# Altium PCB PT-PWR-EPS-002_v1.PcbDoc (part 2 of 3)
Units mm, origin at the board's own origin, x right, y up, seen from the top; angles counter-clockwise.
Board outline 95.89 x 90.17 mm, 4 copper layers (Top Layer, Ground Plane, Power Plane, Bottom Layer), stack 1.508 mm thick; 217 components, 132 nets, 791 pads, 383 vias.
Unrouted connection lines stored in the file: 21.
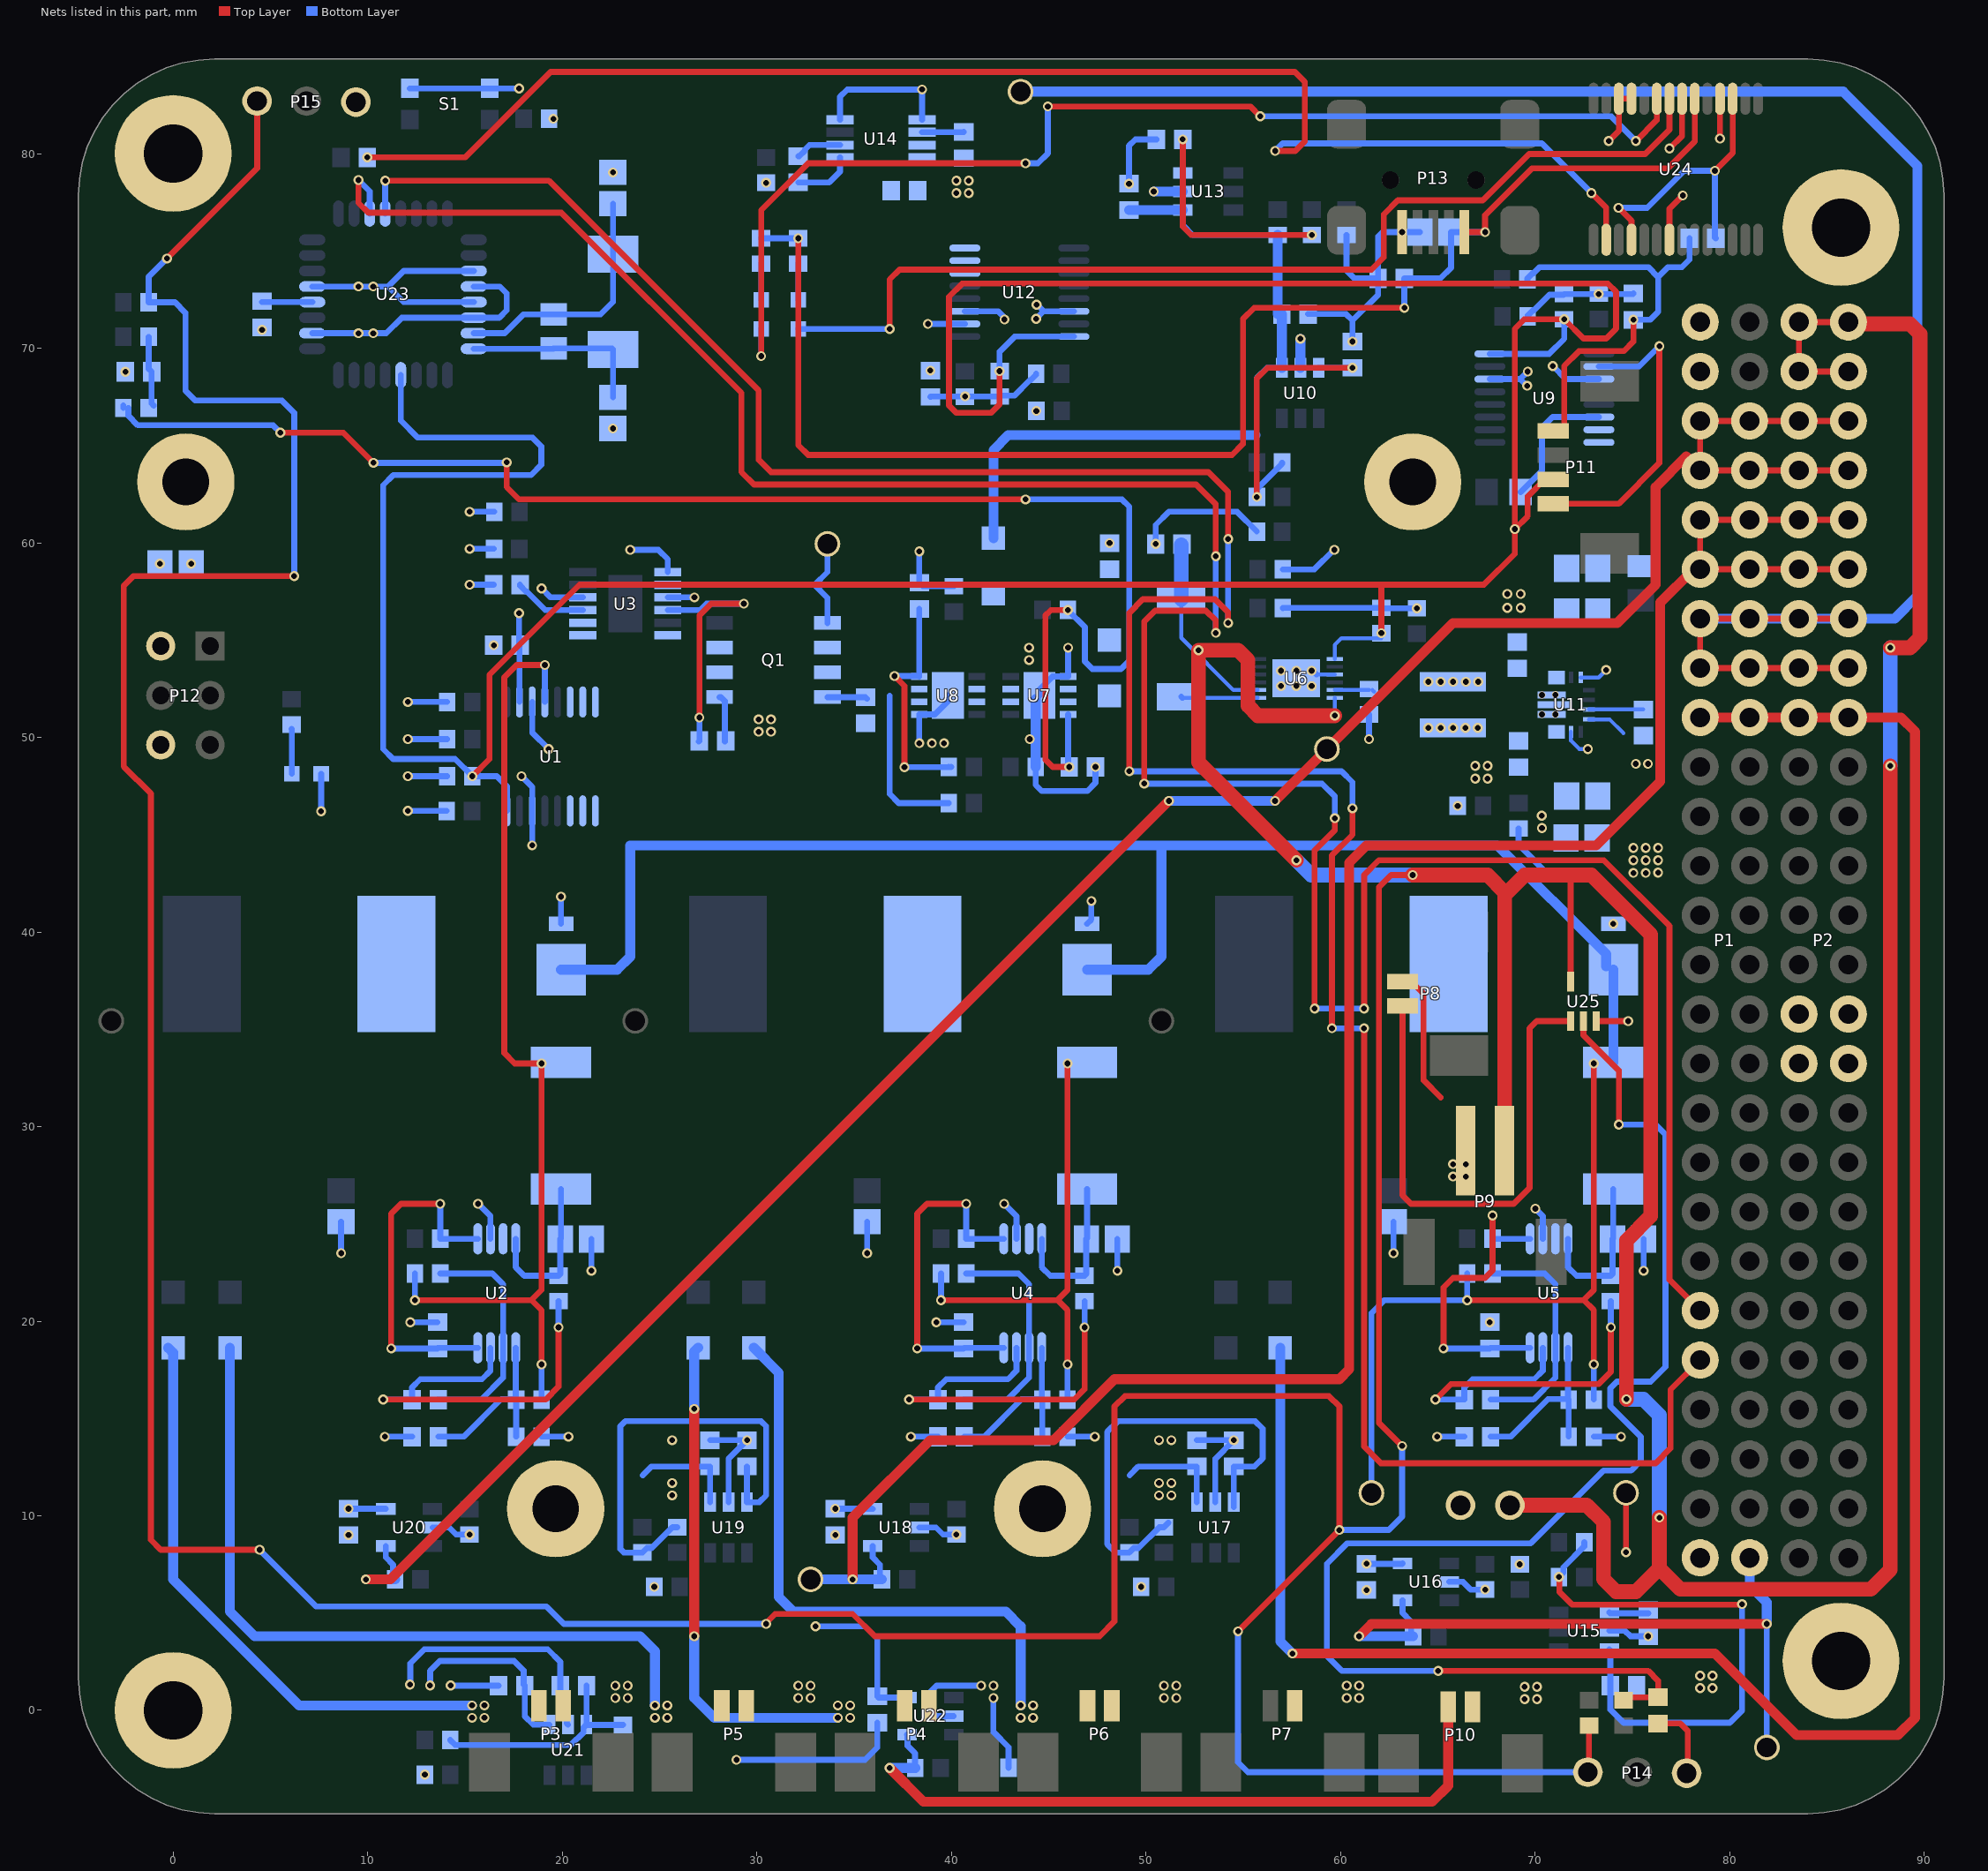
[diagram p4: the nets of this part, all layers, seen from the top]

## Part data (continued)
R45: "RES SMD 213K OHM 0.1% 1/10W 0603", Case/Package=0603, Manufacturer="Stackpole Electronics", Max Operating Temperature=155°C, Min Operating Temperature=-55°C, Resistance=213k, Supplier Part Number 1=RNCF0603BTE213KCT-ND, Temperature Coefficient=25ppm/°C, Tolerance=0.1%, ComponentLink1Description=https://www.seielect.com/catalog/SEI-Packaging.pdf?src-supplier=Digi-Key, ComponentLink1URL=https://www.seielect.com/catalog/SEI-Packaging.pdf?src-supplier=Digi-Key, ComponentLink2Description=https://www.seielect.com/Catalog/SEI-rncf.pdf?src-supplier=Avnet, ComponentLink2URL=https://www.seielect.com/Catalog/SEI-rncf.pdf?src-supplier=Avnet, Composition="Thin Film", Contact Plating=Tin, Manufacturer Part Number=RNCF0603BTE213K, Mount="Surface Mount", Packaging="Tape and Reel", Pricing 1="1 = 0.42000, 10 = 0.29900, 100 = 0.11950, 1000 = 0.05891, 2500 = 0.05457 (USD)", Radiation Hardening=No, RoHS=Yes, Stock 1=5000, Supplier 1=Digi-Key
R46: "RES SMD 68.1K OHM 1% 1/10W 0603", Case/Package=0603, Case Code (Metric)=1608, Manufacturer="Stackpole Electronics", Max Operating Temperature=155°C, Max Power Dissipation=100mW, Min Operating Temperature=-55°C, Resistance=68.1k, Supplier Part Number 1=RMCF0603FT68K1CT-ND, Temperature Coefficient=100ppm/°C, Tolerance=1%, Case Code (Imperial)=0603, ComponentLink1Description=https://www.seielect.com/catalog/SEI-RMCF_RMCP.pdf?src-supplier=Avnet, ComponentLink1URL=https://www.seielect.com/catalog/SEI-RMCF_RMCP.pdf?src-supplier=Avnet, ComponentLink2Description=https://www.seielect.com/Catalog/SEI-RMCF_RMCP.pdf?src-supplier=Digi-Key, ComponentLink2URL=https://www.seielect.com/Catalog/SEI-RMCF_RMCP.pdf?src-supplier=Digi-Key, ComponentLink3Description=https://www.seielect.com/catalog/SEI-Packaging.pdf?src-supplier=Digi-Key, ComponentLink3URL=https://www.seielect.com/catalog/SEI-Packaging.pdf?src-supplier=Digi-Key, ComponentLink4Description=http://www.seielect.com/Catalog/SEI-RMC.pdf?src-supplier=Future+Electronics, ComponentLink4URL=http://www.seielect.com/Catalog/SEI-RMC.pdf?src-supplier=Future+Electronics, Composition="Thick Film", Contact Plating=Tin, Features="Automotive AEC-Q200", Height=0.022inch, Lead Free="Lead Free", Length=0.061inch, Manufacturer Part Number=RMCF0603FT68K1, Mount="Surface Mount", Number of Terminations=2, Packaging="Tape and Reel", Power Rating=100mW, Pricing 1="1 = 0.10000, 10 = 0.01700, 100 = 0.00680, 1000 = 0.00306, 2500 = 0.00266 (USD)", Radiation Hardening=No, RoHS=Yes, Stock 1=40093, Supplier 1=Digi-Key, Width=0.031inch
R55 R60 R65 R70: "RES SMD 0.1 OHM 1% 1/4W 0603", Case/Package=0603, Case Code (Metric)=1608, Manufacturer=Samsung, Max Operating Temperature=155°C, Max Power Dissipation=250mW, Min Operating Temperature=-55°C, Resistance=0.1, Supplier Part Number 1=1276-6155-1-ND, Temperature Coefficient=150ppm/°C, Tolerance=1%, Case Code (Imperial)=0603, ComponentLink1Description=https://datasheet.ciiva.com/26126/chip-resistor-150112-1-26126821.pdf?src-supplier=Digi-Key, ComponentLink1URL=https://datasheet.ciiva.com/26126/chip-resistor-150112-1-26126821.pdf?src-supplier=Digi-Key, Composition="Thick Film", Features="Moisture Resistant", Height=0.022inch, Lead Free="Lead Free", Length=0.063inch, Manufacturer Part Number=RU1608FR100CS, Number of Terminations=2, Packaging="Tape and Reel", Pricing 1="1 = 0.38000, 10 = 0.27300, 25 = 0.20160, 50 = 0.14860, 100 = 0.10910, 250 = 0.09012, 500 = 0.07432, 1000 = 0.05376 (USD)", RoHS=Yes, Stock 1=163209, Supplier 1=Digi-Key, Width=0.031inch
R58 R63 R68 R73: "RES SMD 13K OHM 5% 1/10W 0603", Case/Package=0603, Case Code (Metric)=1608, Manufacturer=Yageo, Max Operating Temperature=155°C, Min Operating Temperature=-55°C, Power Rating=100mW, Resistance=13k, Supplier Part Number 1=311-13KGRCT-ND, Temperature Coefficient=100ppm/°C, Tolerance=5%, Voltage Rating=75V, Voltage Rating (DC)=50V, Case Code (Imperial)=0603, ComponentLink1Description=https://datasheet.ciiva.com/8890/pyu-rc0603-51-rohs-l-4-8890984.pdf?src-supplier=Avnet, ComponentLink1URL=https://datasheet.ciiva.com/8890/pyu-rc0603-51-rohs-l-4-8890984.pdf?src-supplier=Avnet, ComponentLink2Description=https://datasheet.ciiva.com/12577/rc0603-272842-12577401.pdf?src-supplier=Mouser, ComponentLink2URL=https://datasheet.ciiva.com/12577/rc0603-272842-12577401.pdf?src-supplier=Mouser, Composition="Thick Film", Contact Plating=Tin, Depth=0.8mm, Height=0.45mm, Lead Free="Lead Free", Length=1.6mm, Manufacturer Part Number=RC0603JR-0713KL, Military Standard=Not, Packaging="Tape and Reel", Pricing 1="1 = 0.10000, 10 = 0.02000, 100 = 0.00810, 1000 = 0.00362, 2500 = 0.00314 (USD)", Radiation Hardening=No, RoHS=Yes, Stock 1=370235, Supplier 1=Digi-Key, Termination=SMD/SMT, Weight=7.1E-05oz, Width=0.8mm
R79: "RES SMD 1M OHM 1% 1/8W 0805", Case/Package=0805, Case Code (Metric)=2012, Manufacturer=Yageo, Max Operating Temperature=125°C, Max Power Dissipation=125mW, Min Operating Temperature=-55°C, Package Quantity=5000, Resistance=1M, Supplier Part Number 1=YAG3361DKR-ND, Temperature Coefficient=50ppm/°C, Tolerance=1%, Voltage Rating=150V, Case Code (Imperial)=0805, Composition="Thin Film", Features="Moisture Resistant", Height=0.024inch, Lead Free="Lead Free", Length=0.079inch, Manufacturer Part Number=RT0805FRE071ML, Number of Pins=2, Number of Terminations=2, Packaging="Tape and Reel", Power Rating=125mW, Pricing 1="1=0.11, 10=0.097, 100=0.0375, 1000=0.01648, 2500=0.01423 (USD)", REACH SVHC="No SVHC", Stock 1=91463, Supplier 1=Digi-Key, Termination=SMD/SMT, Voltage Rating (DC)=150V, Width=0.049inch
R81 R83: "RES SMD 330K OHM 1% 1/10W 0603", Manufacturer="TE Connectivity", Supplier Part Number 1=A129718CT-ND, ComponentLink1Description=https://www.te.com/commerce/DocumentDelivery/DDEController?Action=srchrtrv&DocNm=1773204-3&DocType=DS&DocLang=English&src-supplier=Digi-Key, ComponentLink1URL=https://www.te.com/commerce/DocumentDelivery/DDEController?Action=srchrtrv&DocNm=1773204-3&DocType=DS&DocLang=English&src-supplier=Digi-Key, ComponentLink2Description=https://www.te.com/commerce/DocumentDelivery/DDEController?Action=srchrtrv&amp;DocNm=1773204-3&amp;DocType=DS&amp;DocLang=English&src-supplier=Digi-Key, ComponentLink2URL=https://www.te.com/commerce/DocumentDelivery/DDEController?Action=srchrtrv&amp;DocNm=1773204-3&amp;DocType=DS&amp;DocLang=English&src-supplier=Digi-Key, Manufacturer Part Number=CRGCQ0603F330K, Pricing 1="1 = 0.10000, 10 = 0.03100, 100 = 0.01260, 1000 = 0.00568, 2500 = 0.00493 (USD)", RoHS=No, Stock 1=91633, Supplier 1=Digi-Key
S1: "SWITCH TACTILE SPST-NO 50MA 32V", Manufacturer="ITT C&K", Max Operating Temperature=85°C, Min Operating Temperature=-40°C, Operating Force=300gf, Ratings="Dust Tight,IP67,Waterproof", Supplier Part Number 1=CKN10685DKR-ND, Actuator Type=Standard, Illumination Type=Non-Illuminated, Manufacturer Part Number=KMR631NGULCLFS, Mechanical Life=150000Cycles, Mount="Surface Mount", Packaging="Tape and Reel", Stock 1=0, Supplier 1=Digi-Key, Switch Function=Off-Mom, Termination="Gull Wing", Throw Configuration=SPST
TB1 TP1 TP2 TP3 TP4 TP5 TP6 TP7 TP8 TP9: library part Testpoint, "GENERIC TESTPOINT"
U1 U9 U12: "IC MONITOR PWR/CURR 16TSSOP", Case/Package=TSSOP, Manufacturer="Texas Instruments", Max Operating Temperature=125°C, Min Operating Temperature=-40°C, Output Current=10mA, Supplier Part Number 1=296-47777-1-ND, Accuracy=0.02%, Manufacturer Part Number=INA260AIPWR, Mount="Surface Mount", Number of Pins=16, Packaging="Tape and Reel", Pricing 1="1=4.54, 10=4.077, 100=3.3401, 500=2.8434, 1000=2.39805 (USD)", Stock 1=4446, Supplier 1=Digi-Key
U2 U4 U5: "IC SOLAR BATTERY CHARGER 8TSSOP", Case/Package=TSSOP, Manufacturer=STMicroelectronics, Max Input Voltage=5.5V, Max Operating Temperature=125°C, Min Input Voltage=300mV, Min Operating Temperature=-40°C, Output Voltage=5.2V, Package Quantity=1, Supplier Part Number 1=497-11288-1-ND, ComponentLink1Description=http://www.st.com/content/ccc/resource/sales_and_marketing/presentation/product_presentation/1c/30/c4/86/3e/5b/42/bb/spv1040solarbatterycharger.pdf/files/spv1040solarbatterycharger.pdf/jcr:content/translations/en.spv1040solarbatterycharger.pdf?src-supplier=Digi-Key, ComponentLink1URL=http://www.st.com/content/ccc/resource/sales_and_marketing/presentation/product_presentation/1c/30/c4/86/3e/5b/42/bb/spv1040solarbatterycharger.pdf/files/spv1040solarbatterycharger.pdf/jcr:content/translations/en.spv1040solarbatterycharger.pdf?src-supplier=Digi-Key, ComponentLink2Description=http://www.mouser.com/ds/2/389/spv1040-974182.pdf?src-supplier=Mouser, ComponentLink2URL=http://www.mouser.com/ds/2/389/spv1040-974182.pdf?src-supplier=Mouser, ComponentLink3Description=http://www.st.com/web/en/resource/technical/document/datasheet/CD00287506.pdf?src-supplier=Avnet+Europe, ComponentLink3URL=http://www.st.com/web/en/resource/technical/document/datasheet/CD00287506.pdf?src-supplier=Avnet+Europe, ComponentLink4Description=http://www.st.com/st-web-ui/static/active/en/resource/technical/document/datasheet/CD00287506.pdf?src-supplier=Future+Electronics, ComponentLink4URL=http://www.st.com/st-web-ui/static/active/en/resource/technical/document/datasheet/CD00287506.pdf?src-supplier=Future+Electronics, ComponentLink5Description=http://www.produktinfo.conrad.com/datenblaetter/1100000-1199999/001184458-da-01-en-IC_SOLAR_BATTERY_SPV1040TTR_TSSOP_8_STM.pdf?src-supplier=Conrad, ComponentLink5URL=http://www.produktinfo.conrad.com/datenblaetter/1100000-1199999/001184458-da-01-en-IC_SOLAR_BATTERY_SPV1040TTR_TSSOP_8_STM.pdf?src-supplier=Conrad, Lead Free="Lead Free", Manufacturer Part Number=SPV1040TTR, Max Supply Voltage=5.5V, Min Supply Voltage=300mV, Mount="Surface Mount", Number of Channels=2, Number of Pins=8, Packaging="Tape and Reel", Pricing 1="1=3.25, 10=2.922, 100=2.3941, 500=2.03808, 1000=1.71886 (USD)", Radiation Hardening=No, Stock 1=8278, Supplier 1=Digi-Key
U3: "IC OR CTRLR N+1 12MSOP", Case/Package=MSOP, Manufacturer="Analog Devices / Linear Technology", Max Operating Temperature=85°C, Max Output Current=1.5A, Max Supply Voltage=18V, Min Operating Temperature=-40°C, Min Supply Voltage=2.9V, Package Quantity=37, Supplier Part Number 1=LTC4352IMS#PBF-ND, ComponentLink1Description=https://datasheet.ciiva.com/30476/0900766b812525cc-30476828.pdf?src-supplier=RSComponents, ComponentLink1URL=https://datasheet.ciiva.com/30476/0900766b812525cc-30476828.pdf?src-supplier=RSComponents, ComponentLink2Description=https://datasheet.ciiva.com/15110/getdatasheetpartid-364841-15110223.pdf?src-supplier=Verical, ComponentLink2URL=https://datasheet.ciiva.com/15110/getdatasheetpartid-364841-15110223.pdf?src-supplier=Verical, ComponentLink3Description=https://datasheet.ciiva.com/26881/ltc4352ims-pbf-26881361.pdf?src-supplier=IIIC, ComponentLink3URL=https://datasheet.ciiva.com/26881/ltc4352ims-pbf-26881361.pdf?src-supplier=IIIC, ComponentLink4Description=https://datasheet.ciiva.com/1511/1692585-1511380.pdf?src-supplier=Element14, ComponentLink4URL=https://datasheet.ciiva.com/1511/1692585-1511380.pdf?src-supplier=Element14, ComponentLink5Description=https://datasheet.ciiva.com/1960/26584-1960776.pdf?src-supplier=Digi-Key, ComponentLink5URL=https://datasheet.ciiva.com/1960/26584-1960776.pdf?src-supplier=Digi-Key, ComponentLink6Description=https://datasheet.ciiva.com/1569/1692585-1569135.pdf?src-supplier=Farnell, ComponentLink6URL=https://datasheet.ciiva.com/1569/1692585-1569135.pdf?src-supplier=Farnell, Height=0.86mm, Length=4.04mm, Manufacturer Part Number=LTC4352IMS#PBF, Number of Drivers=1, Number of Outputs=1, Number of Pins=12, Pricing 1="1 = 7.04000, 25 = 4.67320, 100 = 3.86400, 250 = 3.67080, 500 = 3.58800 (USD)", Radiation Hardening=No, REACH SVHC="No SVHC", RoHS=Yes, Stock 1=3058, Supplier 1=Digi-Key, Turn-Off Delay Time=500ns, Turn-On Delay Time=250ns, Width=3mm
U6: "IC BATT FUEL GAUGE LI-ION 12SON", Capacity=8000mAh, Case/Package=QFN, Manufacturer="Texas Instruments", Max Operating Temperature=85°C, Min Operating Temperature=-40°C, Operating Supply Voltage=4.5V, Output Current=500uA, Output Voltage=600mV, Package Quantity=3000, Supplier Part Number 1=296-39941-6-ND, Contact Plating=Gold, Interface=I2C, Lead Free="Lead Free", Manufacturer Part Number=BQ27441DRZR-G1A, Mount="Surface Mount", Number of Cells=1, Number of Pins=12, Packaging="Tape and Reel", Pricing 1="1=2.62, 10=2.353, 100=1.8911, 500=1.55376, 1000=1.2874 (USD)", Stock 1=11262, Supplier 1=Digi-Key
U7 U8: "IC PWR DIST SWITCH ADJ 8SON", Current=5A, Manufacturer="Texas Instruments", Max Input Voltage=6.5V, Max Operating Temperature=85°C, Max Power Dissipation=2.403W, Min Input Voltage=2.5V, Min Operating Temperature=-40°C, On-State Resistance=22mR, Package Quantity=250, Power Dissipation=2.4W, Supplier Part Number 1=296-25432-1-ND, ComponentLink1Description=https://datasheet.ciiva.com/1572/1788976-1572611.pdf?src-supplier=Digi-Key, ComponentLink1URL=https://datasheet.ciiva.com/1572/1788976-1572611.pdf?src-supplier=Digi-Key, ComponentLink2Description=https://datasheet.ciiva.com/1572/1633920-1572613.pdf?src-supplier=Farnell, ComponentLink2URL=https://datasheet.ciiva.com/1572/1633920-1572613.pdf?src-supplier=Farnell, ComponentLink3Description=https://datasheet.ciiva.com/15113/getdatasheetpartid-224110-15113913.pdf?src-supplier=Verical, ComponentLink3URL=https://datasheet.ciiva.com/15113/getdatasheetpartid-224110-15113913.pdf?src-supplier=Verical, ComponentLink4Description=https://datasheet.ciiva.com/41462/001014733-da-01-en-ic-pwr-dist-switc-tps2557drbt-vson-8-tid-41462584.pdf?src-supplier=Conrad, ComponentLink4URL=https://datasheet.ciiva.com/41462/001014733-da-01-en-ic-pwr-dist-switc-tps2557drbt-vson-8-tid-41462584.pdf?src-supplier=Conrad, ComponentLink5Description=https://datasheet.ciiva.com/26882/tps2557drbt-26882159.pdf?src-supplier=IIIC, ComponentLink5URL=https://datasheet.ciiva.com/26882/tps2557drbt-26882159.pdf?src-supplier=IIIC, ComponentLink6Description=https://datasheet.ciiva.com/1963/tps2557-1963969.pdf?src-supplier=Digi-Key, ComponentLink6URL=https://datasheet.ciiva.com/1963/tps2557-1963969.pdf?src-supplier=Digi-Key, ComponentLink7Description=https://datasheet.ciiva.com/1963/tps2557-1963970.pdf?src-supplier=Digi-Key, ComponentLink7URL=https://datasheet.ciiva.com/1963/tps2557-1963970.pdf?src-supplier=Digi-Key, ComponentLink8Description=https://datasheet.ciiva.com/3216/tps2556-3216885.pdf?src-supplier=Avnet, ComponentLink8URL=https://datasheet.ciiva.com/3216/tps2556-3216885.pdf?src-supplier=Avnet, ComponentLink9Description=https://datasheet.ciiva.com/1512/1788976-1512726.pdf?src-supplier=Element14, ComponentLink9URL=https://datasheet.ciiva.com/1512/1788976-1512726.pdf?src-supplier=Element14, ComponentLink10Description=https://datasheet.ciiva.com/3217/tps2556-3217144.pdf?src-supplier=Avnet, ComponentLink10URL=https://datasheet.ciiva.com/3217/tps2556-3217144.pdf?src-supplier=Avnet, ComponentLink11Description=https://datasheet.ciiva.com/14153/tps2556-2557-eng-ds-14153308.pdf?src-supplier=Distrelec, ComponentLink11URL=https://datasheet.ciiva.com/14153/tps2556-2557-eng-ds-14153308.pdf?src-supplier=Distrelec, ComponentLink12Description=https://datasheet.ciiva.com/26182/tps2556-26182925.pdf?src-supplier=Avnet+Europe, ComponentLink12URL=https://datasheet.ciiva.com/26182/tps2556-26182925.pdf?src-supplier=Avnet+Europe, Contact Plating=Gold, Fault Protection="Over Temperature", Height=0.95mm, Interface=On/Off, Lead Free="Lead Free", Length=3.15mm, Manufacturer Part Number=TPS2557DRBT, Max Output Current=5A, Max Supply Voltage=6.5V, Min Supply Voltage=2.5V, Mount="Surface Mount", Number of Inputs=1, Number of Outputs=1, Number of Pins=8, Output Configuration="High Side", Output Current=5A, Packaging="Tape and Reel", Power Rating=2.403W, Pricing 1="1 = 2.46000, 10 = 2.21100, 100 = 1.77710 (USD)", Radiation Hardening=No, REACH SVHC="No SVHC", RoHS=Yes, Stock 1=20726, Supplier 1=Digi-Key, Termination=SMD/SMT, Turn-Off Delay Time=6ms, Turn-On Delay Time=9ms, Voltage=6.5V, Weight=0.000847oz, Width=3.15mm
U10 U13 U15 U17 U19 U21: "IC POWER-DIST SWITCH ADJ SOT23-6", Case/Package=SOT-23-6, Manufacturer="Texas Instruments", Max Input Voltage=5.5V, Max Operating Temperature=125°C, Max Power Dissipation=625mW, Max Supply Voltage=6.5V, Min Input Voltage=4.5V, Min Operating Temperature=-40°C, Min Supply Voltage=2.5V, On-State Resistance=85mR, Output Current=0pA, Package Quantity=3000, Supplier Part Number 1=296-23692-1-ND, ComponentLink1Description=https://datasheet.ciiva.com/1962/tps2551-q1-1962640.pdf?src-supplier=Digi-Key, ComponentLink1URL=https://datasheet.ciiva.com/1962/tps2551-q1-1962640.pdf?src-supplier=Digi-Key, ComponentLink2Description=https://datasheet.ciiva.com/4924/slvs850-120518-4924547.pdf?src-supplier=Mouser, ComponentLink2URL=https://datasheet.ciiva.com/4924/slvs850-120518-4924547.pdf?src-supplier=Mouser, ComponentLink3Description=https://datasheet.ciiva.com/3233/tps2551-q1-3233588.pdf?src-supplier=Avnet, ComponentLink3URL=https://datasheet.ciiva.com/3233/tps2551-q1-3233588.pdf?src-supplier=Avnet, ComponentLink4Description=https://datasheet.ciiva.com/15109/getdatasheetpartid-329852-15109046.pdf?src-supplier=Verical, ComponentLink4URL=https://datasheet.ciiva.com/15109/getdatasheetpartid-329852-15109046.pdf?src-supplier=Verical, ComponentLink5Description=https://datasheet.ciiva.com/15258/slvs850-15258699.pdf?src-supplier=Arrow+Europe, ComponentLink5URL=https://datasheet.ciiva.com/15258/slvs850-15258699.pdf?src-supplier=Arrow+Europe, ComponentLink6Description=https://datasheet.ciiva.com/1962/tps2551-q1-1962641.pdf?src-supplier=Digi-Key, ComponentLink6URL=https://datasheet.ciiva.com/1962/tps2551-q1-1962641.pdf?src-supplier=Digi-Key, ComponentLink7Description=https://datasheet.ciiva.com/1962/tps2551-q1-1962642.pdf?src-supplier=Digi-Key, ComponentLink7URL=https://datasheet.ciiva.com/1962/tps2551-q1-1962642.pdf?src-supplier=Digi-Key, Interface=Serial, Lead Free="Lead Free", Manufacturer Part Number=TPS2551QDBVRQ1, Number of Outputs=1, Number of Pins=6, Packaging="Tape and Reel", Power Dissipation=625mW, Pricing 1="1 = 2.69000, 10 = 2.41700, 100 = 1.98040, 500 = 1.68586, 1000 = 1.42181 (USD)", Radiation Hardening=No, REACH SVHC="No SVHC", RoHS=Yes, Stock 1=5882, Supplier 1=Digi-Key
U11: "IC REG BCK BST ADJ 2A 15VQFN", Manufacturer="Texas Instruments", Max Input Voltage=16V, Max Operating Temperature=125°C, Max Output Voltage=9V, Min Input Voltage=2V, Min Output Voltage=2.5V, Output Current=2A, Quiescent Current=50uA, Supplier Part Number 1=296-44764-1-ND, Switching Frequency=2.4kHz, ComponentLink1Description=http://www.ti.com/lit/ds/symlink/tps63070.pdf?src-supplier=Digi-Key, ComponentLink1URL=http://www.ti.com/lit/ds/symlink/tps63070.pdf?src-supplier=Digi-Key, ComponentLink2Description=http://www.farnell.com/datasheets/2148335.pdf?src-supplier=Element14, ComponentLink2URL=http://www.farnell.com/datasheets/2148335.pdf?src-supplier=Element14, ComponentLink3Description=http://www.ti.com/lit/ds/symlink/tps63070.pdf?src-supplier=Farnell, ComponentLink3URL=http://www.ti.com/lit/ds/symlink/tps63070.pdf?src-supplier=Farnell, Lead Free="Lead Free", Manufacturer Part Number=TPS63070RNMT, Number of Outputs=1, Number of Pins=15, Packaging="Cut Tape", Pricing 1="1 = 2.76000, 10 = 2.48100, 100 = 2.03260 (USD)", REACH SVHC="No SVHC", RoHS=No, Stock 1=18665, Supplier 1=Digi-Key, Topology=Buck-Boost
U14: "IC REG SWITCHD CAP PROG 8MSOP", Case/Package=MSOP, Current Rating=80A, Manufacturer=Microchip, Max Input Voltage=5.5V, Max Operating Temperature=85°C, Max Output Current=120mA, Min Input Voltage=2V, Min Operating Temperature=-40°C, Min Supply Voltage=2.1V, Nominal Output Voltage=3.3V, Output Current=150mA, Output Voltage=5V, Supplier Part Number 1=MCP1252-33X50I/MS-ND, Switching Frequency=10kHz, ComponentLink1Description=https://datasheet.ciiva.com/14666/0900766b80cb4e26-14666598.pdf?src-supplier=RSComponents, ComponentLink1URL=https://datasheet.ciiva.com/14666/0900766b80cb4e26-14666598.pdf?src-supplier=RSComponents, ComponentLink2Description=https://datasheet.ciiva.com/15114/getdatasheetpartid-786042-15114189.pdf?src-supplier=Verical, ComponentLink2URL=https://datasheet.ciiva.com/15114/getdatasheetpartid-786042-15114189.pdf?src-supplier=Verical, ComponentLink3Description=https://datasheet.ciiva.com/41463/001085779-da-01-en-ic-reg-mult-mcp1252-33x50i-ms-msop-8-mcp-41463457.pdf?src-supplier=Conrad, ComponentLink3URL=https://datasheet.ciiva.com/41463/001085779-da-01-en-ic-reg-mult-mcp1252-33x50i-ms-msop-8-mcp-41463457.pdf?src-supplier=Conrad, ComponentLink4Description=https://datasheet.ciiva.com/2024/21752a-2024332.pdf?src-supplier=Digi-Key, ComponentLink4URL=https://datasheet.ciiva.com/2024/21752a-2024332.pdf?src-supplier=Digi-Key, ComponentLink5Description=https://datasheet.ciiva.com/14621/70046078-14621804.pdf?src-supplier=Allied+Electronics, ComponentLink5URL=https://datasheet.ciiva.com/14621/70046078-14621804.pdf?src-supplier=Allied+Electronics, ComponentLink6Description=https://datasheet.ciiva.com/4874/21752a-4874975.pdf?src-supplier=Mouser, ComponentLink6URL=https://datasheet.ciiva.com/4874/21752a-4874975.pdf?src-supplier=Mouser, ComponentLink7Description=https://datasheet.ciiva.com/16352/filehandler-aspxddocname-en011637-16352991.pdf?src-supplier=Future+Electronics, ComponentLink7URL=https://datasheet.ciiva.com/16352/filehandler-aspxddocname-en011637-16352991.pdf?src-supplier=Future+Electronics, ComponentLink8Description=https://datasheet.ciiva.com/17297/21752a-17297471.pdf?src-supplier=Avnet+Europe, ComponentLink8URL=https://datasheet.ciiva.com/17297/21752a-17297471.pdf?src-supplier=Avnet+Europe, Height=0.85mm, Lead Free="Lead Free", Length=3mm, Manufacturer Part Number=MCP1252-33X50I/MS, Max Supply Voltage=5.5V, Mount="Surface Mount", Number of Outputs=1, Number of Pins=8, Output Type=Fixed, Packaging=Rail/Tube, Pricing 1="1 = 1.41000, 25 = 1.17440, 100 = 1.07120 (USD)", Radiation Hardening=No, REACH SVHC="No SVHC", RoHS=Yes, Stock 1=4906, Supplier 1=Digi-Key, Topology="Charge Pump", Weight=0.004938oz, Width=3mm
U16 U18 U20 U22: "IC CURRENT MONITOR 0.5% SOT23-5", Case/Package=SOT-23, Input Bias Current=10uA, Input Offset Voltage (Vos)=1mV, Manufacturer="Texas Instruments", Max Operating Temperature=125°C, Max Supply Voltage=60V, Min Operating Temperature=-40°C, Min Supply Voltage=2.7V, Nominal Supply Current=125uA, Package Quantity=3000, Supplier Part Number 1=296-26063-6-ND, Accuracy=0.5%, Bandwidth=440kHz, Common Mode Rejection Ratio=100dB, ComponentLink1Description=http://www.ti.com/general/docs/lit/getliterature.tsp?genericPartNumber=INA169&&fileType=pdf, ComponentLink1URL=http://www.ti.com/general/docs/lit/getliterature.tsp?genericPartNumber=INA169&&fileType=pdf, ComponentLink2Description=https://www.verical.com/server-webapp/html/getDatasheet?partID=243276, ComponentLink2URL=https://www.verical.com/server-webapp/html/getDatasheet?partID=243276, ComponentLink3Description=http://www.ti.com/lit/ds/symlink/ina139.pdf, ComponentLink3URL=http://www.ti.com/lit/ds/symlink/ina139.pdf, ComponentLink4Description=http://www.ti.com/lit/ds/sbos181d/sbos181d.pdf, ComponentLink4URL=http://www.ti.com/lit/ds/sbos181d/sbos181d.pdf, Lead Free="Lead Free", Manufacturer Part Number=INA169NA/3K, Mount="Surface Mount", Number of Amplifiers=1, Number of Channels=1, Number of Elements=1, Number of Pins=5, Packaging="Tape and Reel", Pricing 1="1=2.27, 10=2.042, 100=1.641, 500=1.34828, 1000=1.11714 (USD)", Radiation Hardening=No, REACH SVHC="No SVHC", Stock 1=23056, Supplier 1=Digi-Key, Weight=0.000617oz
U23: library part ATMEGA328P-AUR, "IC MCU 8BIT 32KB FLASH 32TQFP", Manufacturer="Microchip / Atmel", Operating Temperature="-40°C ~ 85°C", Package / Case=32-TQFP, Standard Package=2,000, Voltage - Supply (Vcc/Vdd)="1.8 V ~ 5.5 V", Category="Integrated Circuits (ICs)", ComponentLink1Description=http://www.atmel.com/images/atmel-8271-8-bit-avr-microcontroller-atmega48a-48pa-88a-88pa-168a-168pa-328-328p_datasheet_summary.pdf, ComponentLink1URL=http://www.atmel.com/images/atmel-8271-8-bit-avr-microcontroller-atmega48a-48pa-88a-88pa-168a-168pa-328-328p_datasheet_summary.pdf, Connectivity="I²C, SPI, UART/USART", Core Processor=AVR, Core Size=8-Bit, Data Converters="A/D 8x10b", Dynamic Catalog="AVR® ATmega", EEPROM Size="1K x 8", Family="Embedded - Microcontrollers", For Use With="ATSTK600-RC29-ND / - STK600 ROUTING CARD AVR", Manufacturer Part Number=ATMEGA328P-AUR, Number of I /O=23, Oscillator Type=Internal, Other Names=ATMEGA328P-AUR-ND, Packaging="Tape & Reel (TR)", Peripherals="Brown-out Detect/Reset, POR, PWM, WDT", Pricing 1="1=2.2, 25=2.0248, 100=1.8338 (USD)", Product Training Modules="MCU Product Line Introduction /  / megaAVR Introduction", Program Memory Size="32KB (16K x 16)", Program Memory Type=FLASH, RAM Size="2K x 8", Series="AVR® ATmega", Speed=20MHz, Stock 1=41082, Supplier 1=Digi-Key, Supplier Part Number 1=ATMEGA328P-AURCT-ND
U24: "IC USB FS SERIAL UART 28-SSOP", Case/Package=SSOP, Manufacturer=FTDI, Max Operating Temperature=85°C, Max Supply Voltage=5.25V, Min Operating Temperature=-40°C, Min Supply Voltage=3.3V, Operating Supply Current=15mA, Package Quantity=2000, Supplier Part Number 1=768-1007-6-ND, Voltage=5V, ComponentLink1Description=https://datasheet.ciiva.com/34304/2161019-34304054.pdf, ComponentLink1URL=https://datasheet.ciiva.com/34304/2161019-34304054.pdf, ComponentLink2Description=https://datasheet.ciiva.com/1787/ds-ft232r-1787047.pdf, ComponentLink2URL=https://datasheet.ciiva.com/1787/ds-ft232r-1787047.pdf, ComponentLink3Description=https://datasheet.ciiva.com/1787/ds-ft232r-1787048.pdf, ComponentLink3URL=https://datasheet.ciiva.com/1787/ds-ft232r-1787048.pdf, ComponentLink4Description=https://datasheet.ciiva.com/1787/ds-ft232r-1787049.pdf, ComponentLink4URL=https://datasheet.ciiva.com/1787/ds-ft232r-1787049.pdf, ComponentLink5Description=https://datasheet.ciiva.com/4787/ds-ft232r-11534-4787658.pdf, ComponentLink5URL=https://datasheet.ciiva.com/4787/ds-ft232r-11534-4787658.pdf, ComponentLink6Description=https://datasheet.ciiva.com/15150/getdatasheetpartid-643207-15150506.pdf, ComponentLink6URL=https://datasheet.ciiva.com/15150/getdatasheetpartid-643207-15150506.pdf, ComponentLink7Description=https://datasheet.ciiva.com/16200/ds-ft232r-16200652.pdf, ComponentLink7URL=https://datasheet.ciiva.com/16200/ds-ft232r-16200652.pdf, ComponentLink8Description=https://datasheet.ciiva.com/26841/ft232rl-reel-26841080.pdf, ComponentLink8URL=https://datasheet.ciiva.com/26841/ft232rl-reel-26841080.pdf, Data Rate=12Mbps, Height=1.75mm, Interface=RS-232,RS-422,RS-485,UART, Lead Free="Lead Free", Length=10.2mm, Manufacturer Part Number=FT232RL-REEL, Mount="Surface Mount", Number of Channels=1, Number of Pins=28, Number of Transceivers=1, Packaging="Tape and Reel", Pricing 1="1=4.5, 10=4.05, 100=3.65, 250=3.25, 500=2.85002, 1000=2.65 (USD)", Radiation Hardening=No, REACH SVHC="No SVHC", Stock 1=281044, Supplier 1=Digi-Key, Weight=0.080001oz, Width=5.3mm